# Altium PCB myAMP - Copy.PcbDoc
Units mm, origin at the board's own origin, x right, y up, seen from the top; angles counter-clockwise.
Board outline 152.4 x 101.6 mm, 2 copper layers (Top Layer, Bottom Layer); 113 components, 65 nets, 298 pads, 77 vias.
Unrouted connection lines stored in the file: 1.
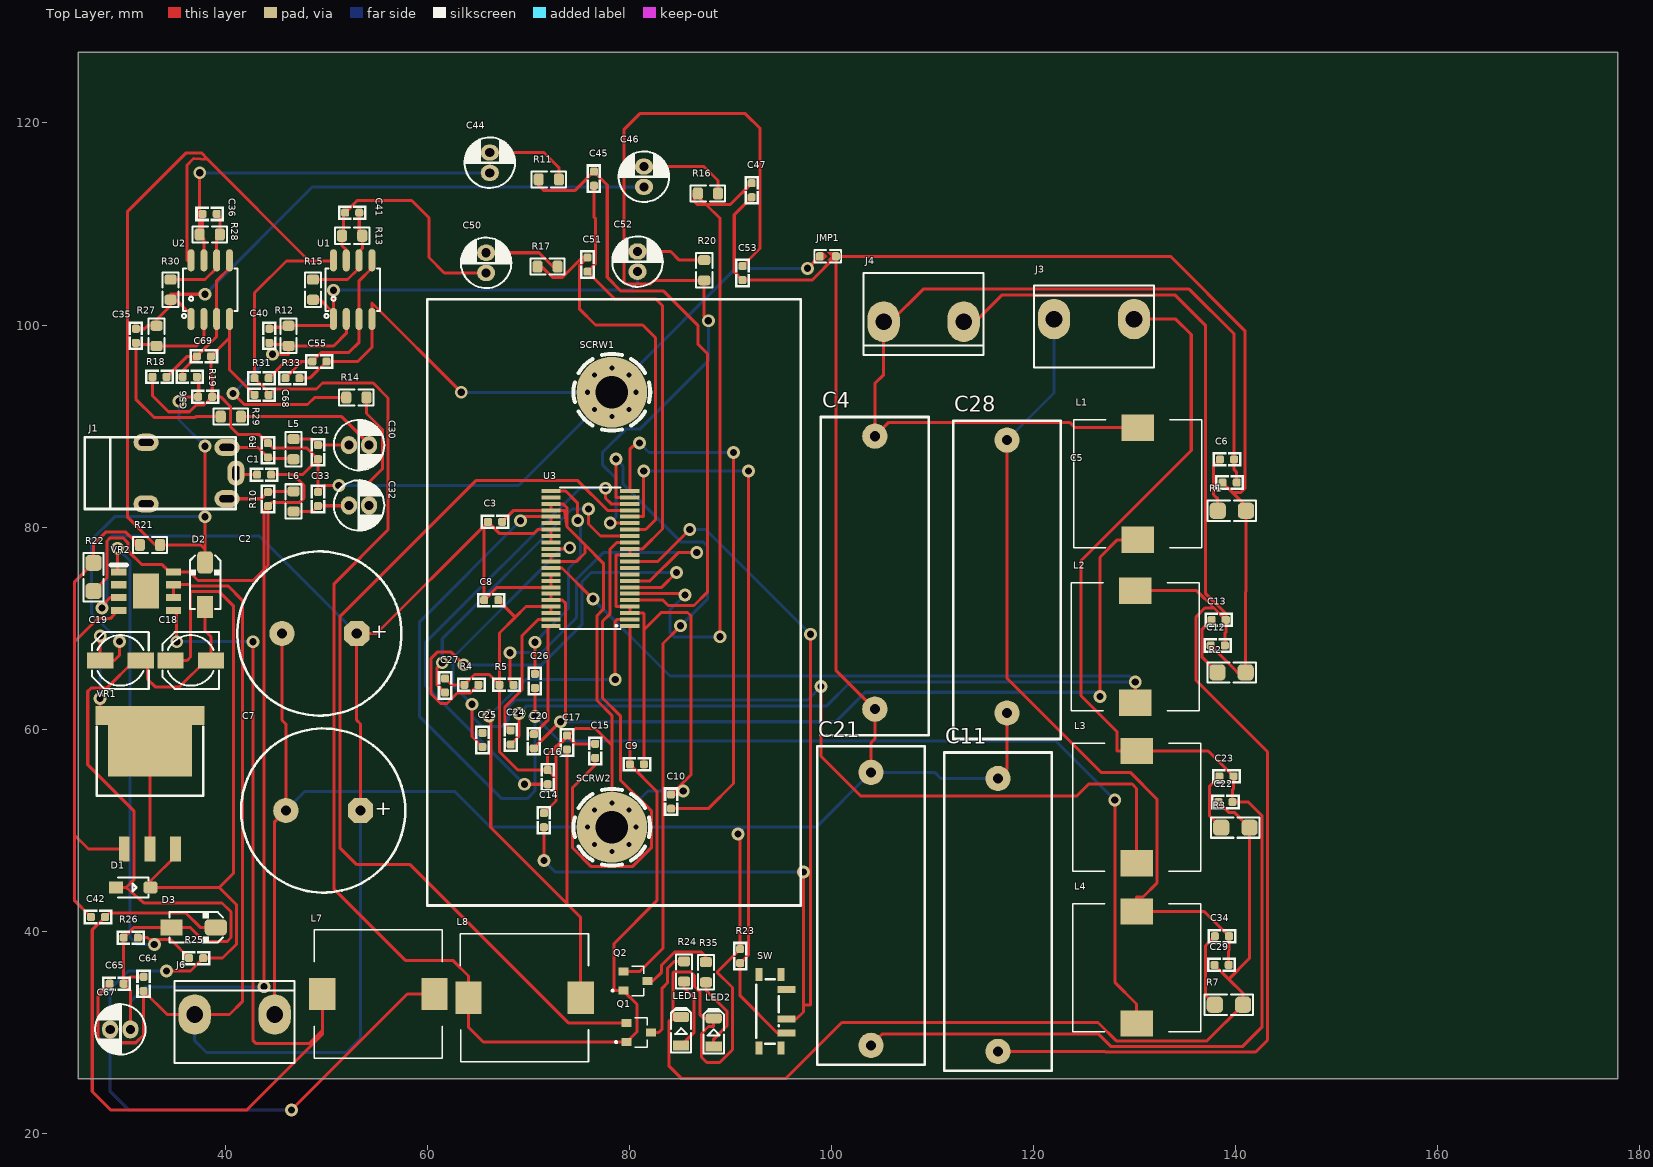
[diagram p0: Top Layer view]
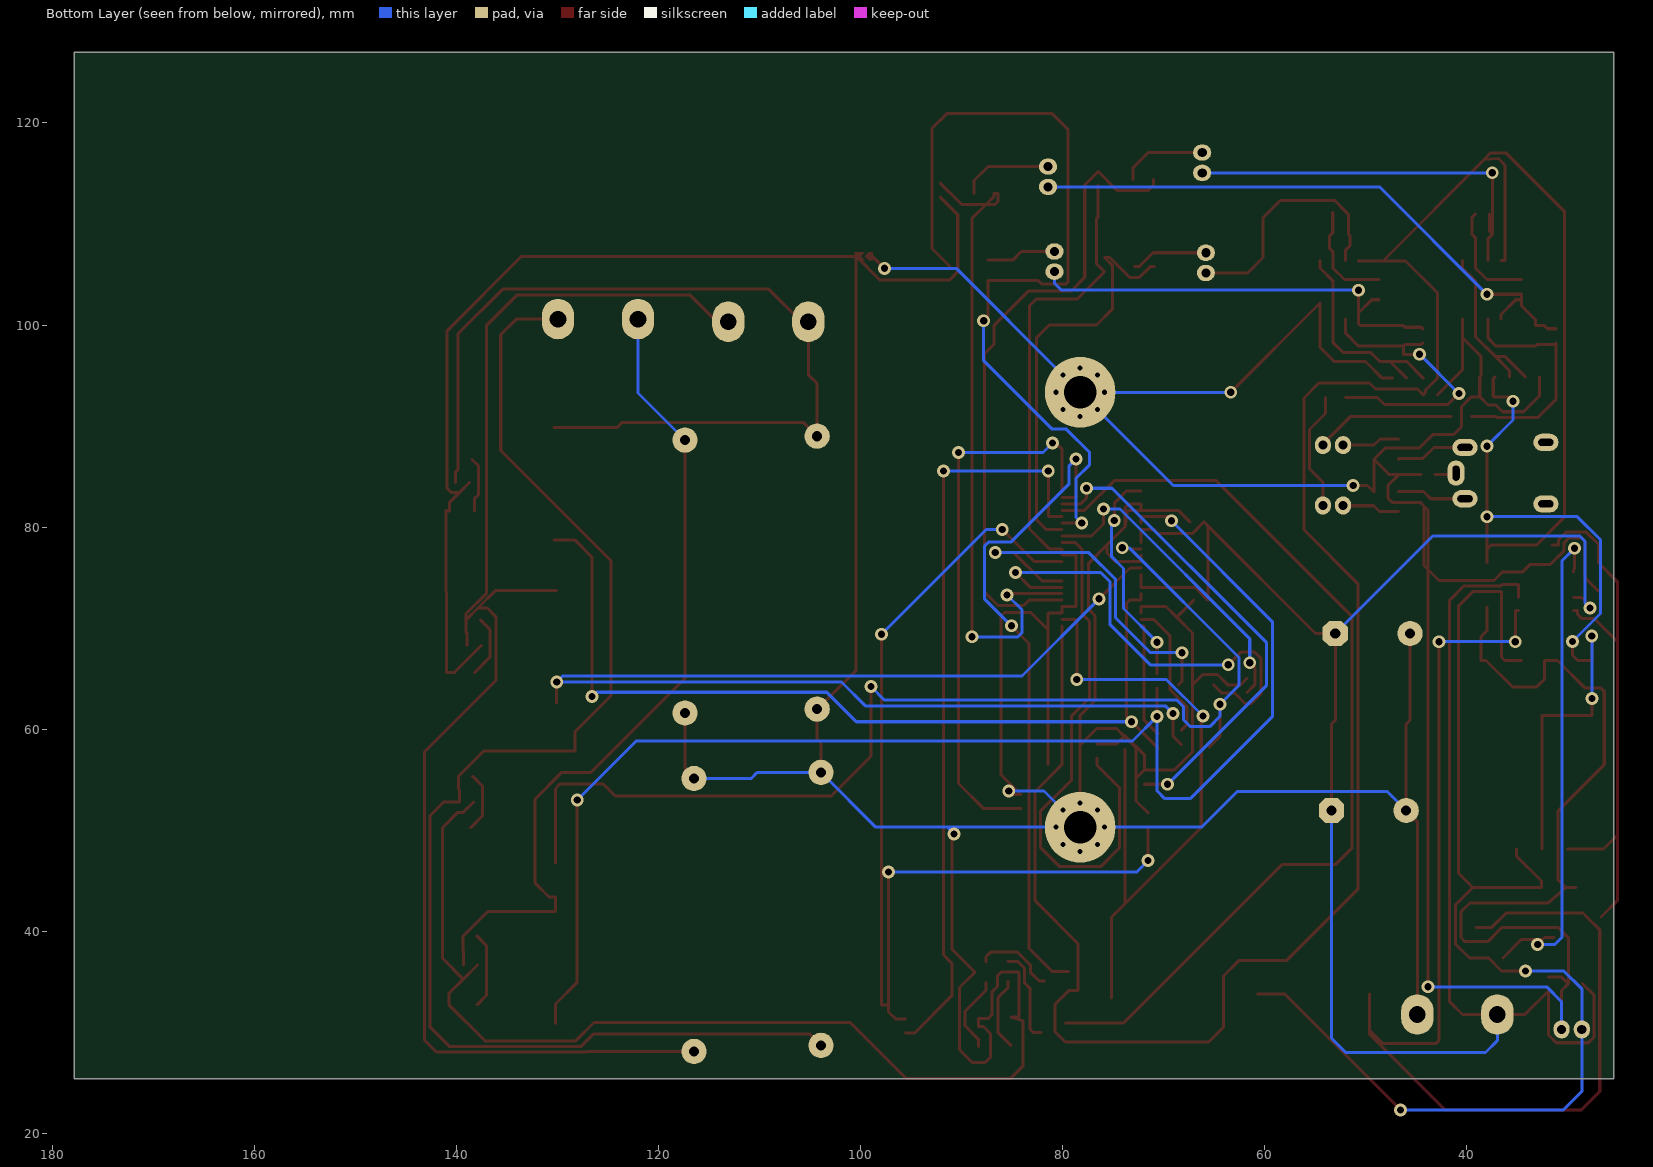
[diagram p1: Bottom Layer view, seen from below]
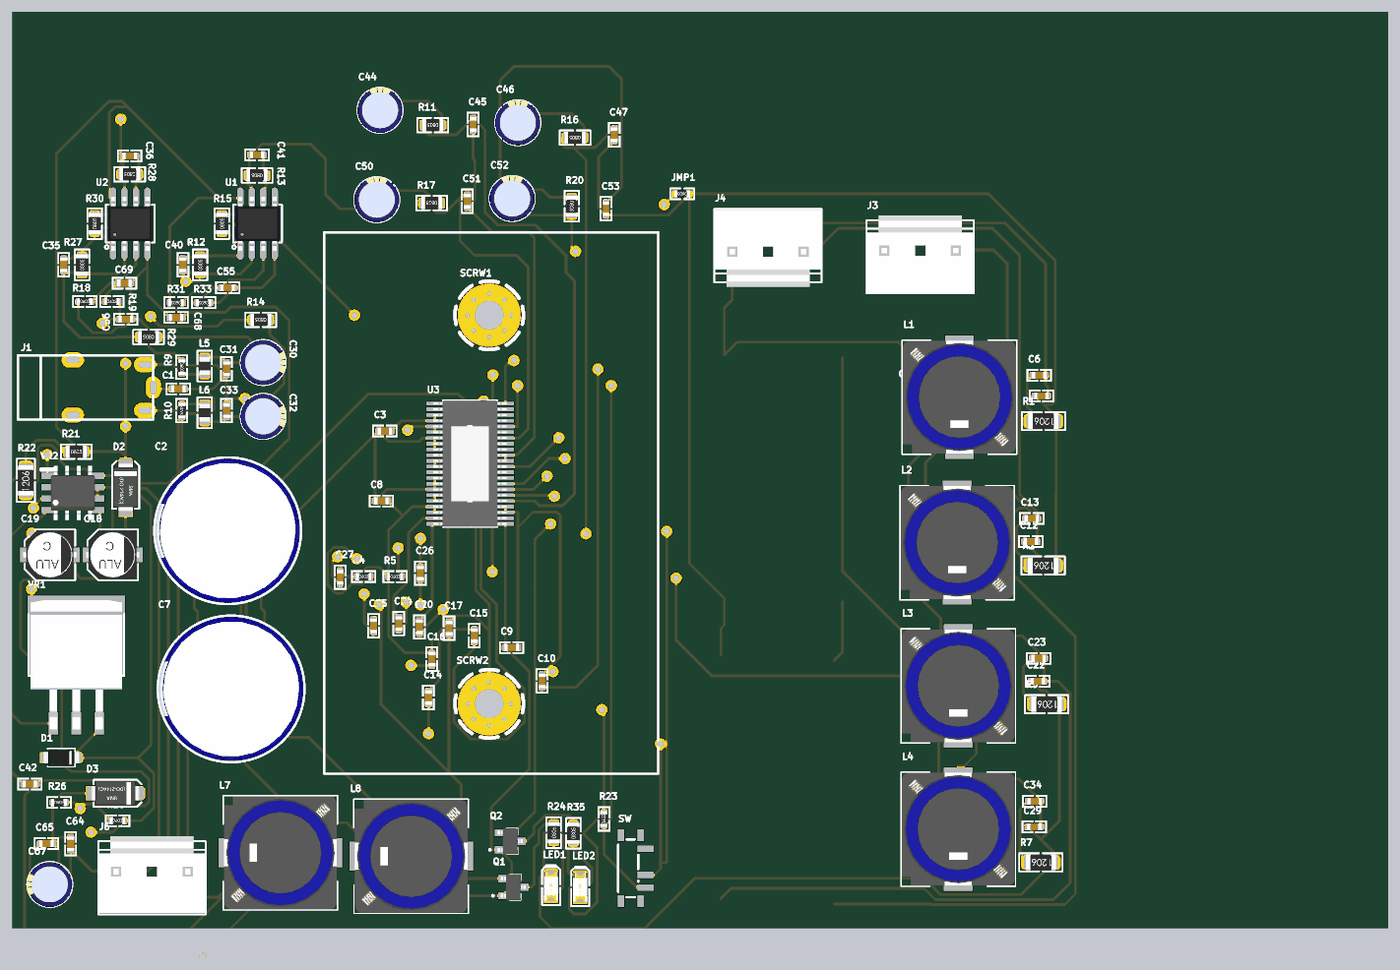
[diagram p2: 3D render of the assembled board from above, using the file's embedded part models]

## Layer stack, top to bottom
Top Solder: solder mask 0.0102, Solder Resist, Dk 3.5
Top Layer: signal copper 0.0356
Dielectric 1: dielectric 0.32, FR-4, Dk 4.8
Bottom Layer: signal copper 0.0356
Bottom Solder: solder mask 0.0102, Solder Resist, Dk 3.5

## Board outline
25.4,25.4 177.8,25.4 177.8,127 25.4,127

## Design rules (kind name [scope] priority, off if disabled: settings)
Clearance [All] p1: gap=0.254 ignorepadtopadclearanceinfootprint=FALSE
PolygonConnect [All] p1: connectstyle=Relief reliefconductorwidth=0.254 reliefentries=4 polygonreliefangle="90 Angle" airgapwidth=0.254
RoutingVias [All] p1: holewidth=0.711 width=1.27 viastyle="Through Hole" minholewidth=0.711 minwidth=1.27 maxholewidth=0.711 maxwidth=1.27
SolderMaskExpansion [All] p1: expansion=0.102 istentingtop=FALSE
SupplyNets "Schematic Supply Nets_6" [InNet('+13.5')] p1: voltage=0.000
SupplyNets "Schematic Supply Nets_5" [InNet('EN')] p2: voltage=0.000
SupplyNets "Schematic Supply Nets_4" [InNet('+12')] p3: voltage=0.000
SupplyNets "Schematic Supply Nets_3" [InNet('+12A')] p4: voltage=0.000
SupplyNets "Schematic Supply Nets_1" [InNet('GNDA')] p5: voltage=0.000
SupplyNets "Schematic Supply Nets" [InNet('GNDB')] p6: voltage=0.000
Width [All] p1: maxlimit=3 minlimit=0.3 preferedwidth=0.3 minimp=50.000000 maximp=50.000000 favimp=50.000000
30 further rules are at their usual default settings.

## Classes and differential pairs
net class C65_Nets: EN GNDA
net class C7_Nets: EN GNDB
net class VR2_Nets: EN FB GNDA NetC42_1 NetC42_2 NetVR2_2 NetVR2_9
net class VR1_Nets: +12 +13.5 NetR21_1
net class U3_Nets: +12 +12A AMP_CLIP AMP_FAULT AMP_RESET AUDIO_TPAIN_L_M AUDIO_TPAIN_L_P AUDIO_TPAIN_R_M AUDIO_TPAIN_R_P AUDIO_W_L_M++ AUDIO_W_L_P++ AUDIO_W_R_M++ AUDIO_W_R_P++ DVDD EN GNDB NetC15_1 NetC16_1 NetC17_1 NetC20_2 NetC24_2 NetC25_2 NetC26_2 NetC27_1 NetR4_2 NetR5_2 NetU3_9 NetU3_10
net class U2_Nets: +12 AUDIO_R_M AUDIO_R_P GNDA NetC35_2 NetC36_2 NetC69_1
net class U1_Nets: +12 AUDIO_L_M AUDIO_L_P GNDA NetC40_2 NetC41_2 NetC55_1
net class SW_Nets: AMP_RESET DVDD NetSW_3 NetSW_4
net class R35_Nets: NetLED2_1 NetQ2_3
net class R33_Nets: GNDA NetC55_1
net class R31_Nets: +12 NetC55_1
net class R30_Nets: AUDIO_R_M NetC36_2
net class R29_Nets: AUDIO_R+ NetC35_2
net class R28_Nets: AUDIO_R_P NetC36_2
net class R27_Nets: AUDIO_R_M NetC35_2
net class R26_Nets: FB GNDA
net class R25_Nets: +13.5 FB
net class R24_Nets: NetLED1_1 NetQ1_3
net class R23_Nets: AMP_RESET GNDB
net class R22_Nets: GNDA NetR21_1
net class R21_Nets: +12 NetR21_1
net class R20_Nets: AUDIO_TPAIN_L_M NetC52_2
net class R19_Nets: +12 NetC69_1
net class R18_Nets: GNDA NetC69_1
net class R17_Nets: AUDIO_TPAIN_L_P NetC50_2
net class R16_Nets: AUDIO_TPAIN_R_M NetC46_2
net class R15_Nets: AUDIO_L_M NetC41_2
net class R14_Nets: AUDIO_L+ NetC40_2
net class R13_Nets: AUDIO_L_P NetC41_2
net class R12_Nets: AUDIO_L_M NetC40_2
net class R11_Nets: AUDIO_TPAIN_R_P NetC44_2
net class R10_Nets: AUDIO_L GNDA
net class R9_Nets: AUDIO_R GNDA
net class R7_Nets: GNDB NetC34_2
net class R5_Nets: GNDB NetR5_2
net class R4_Nets: GNDB NetR4_2
net class R3_Nets: GNDB NetC23_2
net class R2_Nets: GNDB NetC13_2
net class R1_Nets: GNDB NetC6_2
net class Q2_Nets: +12 AMP_CLIP NetQ2_3
net class Q1_Nets: +12 AMP_FAULT NetQ1_3
net class LED2_Nets: GNDB NetLED2_1
net class LED1_Nets: GNDB NetLED1_1
net class L8_Nets: +12 NetC17_1
net class L7_Nets: +13.5 NetC42_2
net class L6_Nets: AUDIO_L NetC32_1
net class L5_Nets: AUDIO_R NetC30_1
net class L4_Nets: Audio_OUT_L_M AUDIO_W_L_M++
net class L3_Nets: Audio_OUT_L_P AUDIO_W_L_P++
net class L2_Nets: Audio_OUT_R_M AUDIO_W_R_M++
net class L1_Nets: Audio_OUT_R_P AUDIO_W_R_P++
net class JMP1_Nets: GNDA GNDB
net class J6_Nets: EN GNDB
net class J4_Nets: Audio_OUT_R_M Audio_OUT_R_P
net class J3_Nets: Audio_OUT_L_M Audio_OUT_L_P
net class J1_Nets: AUDIO_L AUDIO_R NetC1_2 NetJ1_4
net class D3_Nets: GNDA NetC42_2
net class D2_Nets: +12 GNDA
net class D1_Nets: +13.5 GNDA
net class C69_Nets: GNDA NetC69_1
net class C68_Nets: +12 GNDA
net class C67_Nets: +13.5 GNDA
net class SCRW1_Nets: GNDA
net class C64_Nets: EN GNDA
net class C56_Nets: +12 GNDA
net class C55_Nets: GNDA NetC55_1
net class C53_Nets: AUDIO_TPAIN_L_M GNDB
net class C52_Nets: AUDIO_L_M NetC52_2
net class C51_Nets: AUDIO_TPAIN_L_P GNDB
net class C50_Nets: AUDIO_L_P NetC50_2
net class C47_Nets: AUDIO_TPAIN_R_M GNDB
net class C46_Nets: AUDIO_R_M NetC46_2
net class C45_Nets: AUDIO_TPAIN_R_P GNDB
net class C44_Nets: AUDIO_R_P NetC44_2
net class C42_Nets: NetC42_1 NetC42_2
net class C41_Nets: AUDIO_L_P NetC41_2
net class C40_Nets: AUDIO_L_M NetC40_2
net class C36_Nets: AUDIO_R_P NetC36_2
net class C35_Nets: AUDIO_R_M NetC35_2
net class C34_Nets: Audio_OUT_L_M NetC34_2
net class C33_Nets: GNDA NetC32_1
net class C32_Nets: AUDIO_L+ NetC32_1
net class C31_Nets: GNDA NetC30_1
net class C30_Nets: AUDIO_R+ NetC30_1
net class C29_Nets: Audio_OUT_L_M GNDB
net class C28_Nets: Audio_OUT_L_M GNDB
net class C27_Nets: GNDB NetC27_1
net class C26_Nets: AUDIO_W_L_M++ NetC26_2
net class C25_Nets: AUDIO_W_L_P++ NetC25_2
net class C24_Nets: AUDIO_W_R_M++ NetC24_2
net class C23_Nets: Audio_OUT_L_P NetC23_2
net class C22_Nets: Audio_OUT_L_P GNDB
net class C21_Nets: Audio_OUT_L_P GNDB
net class C20_Nets: AUDIO_W_R_P++ NetC20_2
net class C19_Nets: +12 GNDA
net class C18_Nets: +13.5 GNDA
net class C17_Nets: GNDB NetC17_1
net class C16_Nets: GNDB NetC16_1
net class C15_Nets: GNDB NetC15_1
net class C14_Nets: DVDD GNDB
net class C13_Nets: Audio_OUT_R_M NetC13_2
net class C12_Nets: Audio_OUT_R_M GNDB
net class C11_Nets: Audio_OUT_R_M GNDB
net class C10_Nets: +12A GNDB
net class C9_Nets: +12 GNDB
net class C8_Nets: EN GNDB
net class SCRW2_Nets: GNDB
net class C6_Nets: Audio_OUT_R_P NetC6_2
net class C5_Nets: Audio_OUT_R_P GNDB
net class C4_Nets: Audio_OUT_R_P GNDB
net class C3_Nets: EN GNDB
net class C2_Nets: EN GNDB
net class C1_Nets: GNDA NetC1_2

## Components (designator, comment, footprint, x,y, rotation, side; value= is the part's Value field where it differs from the comment)
C1 "220pF" C_0603_2 43.81,85.192 r180 top
C2 "" C_16X40 49.276,69.469 r180 top value="2700uF 50V"
C3 "1uF" C_0603_2 66.675,80.518 r0 top
C4 "" C_MKP_THT 107.694,-464.725 r270 top value="1uF 250V"
C5 "" C_0603_2 139.381,84.412 r180 top value="1000pF 50V"
C6 "GRM1885C1H103JA01D" C_0603_2 139.13,86.698 r180 top value="10000pF 50V"
C7 "a" C_16X40 49.657,51.943 r180 top value="2700uF 50V"
C8 "1uF" C_0603_2 66.294,72.771 r0 top
C9 "100nF" C_0603_2 80.71,56.515 r0 top
C10 "100nF" C_0603_2 84.093,52.824 r90 top
C11 "PHE426HD7100JR06L2" C_MKP_THT 113.032,581.819 r90 top value="1uF 250V"
C12 "" C_0603_2 138.208,68.283 r180 top value="1000pF 50V"
C13 "GRM1885C1H103JA01D" C_0603_2 138.303,70.823 r180 top value="10000pF 50V"
C14 "1uF" C_0603_2 71.501,50.989 r90 top
C15 "1uF" C_0603_2 76.581,57.847 r90 top
C16 "100nF" C_0603_2 71.882,55.245 r90 top
C17 "100nF" C_0603_2 73.787,58.674 r90 top
C18 "10uF" C_EL_5 36.544,66.802 r0 top value="470uF 50V"
C19 "10uF" C_EL_5 29.591,66.802 r0 top value="470uF 50V"
C20 "33nF" C_0603_2 70.504,58.801 r90 top
C21 "PHE426HD7100JR06L2" C_MKP_THT 100.459,582.422 r90 top value="1uF 250V"
C22 "" C_0603_2 138.97,52.789 r180 top value="1000pF 50V"
C23 "GRM1885C1H103JA01D" C_0603_2 139.065,55.329 r180 top value="10000pF 50V"
C24 "33nF" C_0603_2 68.218,59.182 r90 top
C25 "33nF" C_0603_2 65.424,58.928 r90 top
C26 "33nF" C_0603_2 70.612,64.77 r90 top
C27 "47nF" C_0603_2 61.722,64.324 r90 top
C28 "PHE426HD7100JR06L2" C_MKP_THT 120.775,-465.106 r270 top value="1uF 250V"
C29 "" C_0603_2 138.589,36.66 r180 top value="1000pF 50V"
C30 "10uF" C_5X11 53.208,88.113 r90 top
C31 "15pF" C_0603_2 49.144,87.416 r90 top
C32 "10uF" C_5X11 53.208,82.144 r90 top
C33 "15pF" C_0603_2 49.144,82.779 r270 top
C34 "GRM1885C1H103JA01D" C_0603_2 138.622,39.497 r180 top value="10000pF 50V"
C35 "22pF" C_0603_2 31.115,98.933 r270 top value=15pF
C36 "22pF" C_0603_2 38.416,110.998 r0 top value=15pF
C40 "22pF" C_0603_2 44.323,98.933 r270 top value=15pF
C41 "22pF" C_0603_2 52.528,111.125 r0 top value=15pF
C42 "Cap" C_0603_2 27.37,41.402 r0 top value=100nF
C44 "10uF" C_5X11 66.148,116.07 r180 top
C45 "100pF" C_0603_2 76.454,114.492 r270 top value=10uF
C46 "10uF" C_5X11 81.407,114.681 r180 top
C47 "100pF" C_0603_2 92.075,113.349 r270 top value=10uF
C50 "10uF" C_5X11 65.786,106.156 r180 top
C51 "100pF" C_0603_2 75.819,105.983 r270 top value=10uF
C52 "10uF" C_5X11 80.772,106.283 r180 top
C53 "100pF" C_0603_2 91.167,105.148 r270 top value=10uF
C55 "Cap" C_0603_2 49.276,96.393 r0 top value=100nF
C56 "10uF" C_0603_2 37.976,92.899 r0 top
C64 "Cap" C_0603_2 31.877,34.787 r90 top value=2.2uF
C65 "Cap" C_0603_2 29.21,34.798 r0 top value=2.2uF
C67 "10uF" C_5X11 29.575,30.277 r270 top
C68 "10uF" C_0603_2 43.561,93.091 r180 top
C69 "Cap" C_0603_2 37.846,96.901 r0 top value=100nF
D1 "15V" D_SOD123 30.861,44.323 r0 top
D2 "13V" DO-214AC 37.973,74.295 r90 top
D3 "Schottky 100V/1A" DO-214AC 36.83,40.377 r0 top
J1 "PJ-321B" J_PJ-321B 35.052,85.217 r180 top
J3 "VH3P2" VH3_2 125.961,100.584 r0 top
J4 "VH3P2" VH3_2 109.093,100.33 r180 top
J6 "VH3P2" VH3_2 40.894,31.75 r0 top
JMP1 "" JUMPER_0603 99.606,106.807 r180 top
L1 "MA5172" L_SLF12565 130.302,84.285 r90 top value=10uH
L2 "MA5172" L_SLF12565 130.048,68.156 r90 top value=10uH
L3 "MA5172" L_SLF12565 130.175,52.281 r90 top value=10uH
L4 "MA5172" L_SLF12565 130.175,36.406 r90 top value=10uH
L5 "15nH" L_0805 46.731,87.716 r90 top
L6 "15nH" L_0805 46.731,82.541 r270 top
L7 "Inductor" L_SLF12565 55.118,33.782 r0 top value=15uH
L8 "10uH" L_SLF12565 69.596,33.401 r0 top
LED1 "LED RED" LED_1206_RED 85.09,30.099 r90 top
LED2 "LED RED" LED_1206_RED 88.311,29.972 r90 top
Q1 "DTA143EKA" TRANS_DTC113ZKAT146 80.899,29.972 r0 top
Q2 "DTA143EKA" TRANS_DTC113ZKAT146 80.567,35.059 r0 top
R1 "3.3" R_1206 139.605,81.618 r180 top
R2 "3.3" R_1206 139.573,65.616 r180 top
R3 "3.3" R_1206 139.957,50.249 r180 top
R4 "22K" R_0603_2 64.327,64.389 r0 top
R5 "30K" R_0603_2 67.806,64.381 r0 top
R7 "3.3" R_1206 139.319,32.723 r180 top
R9 "100K" R_0603_2 44.191,87.605 r270 top
R10 "100K" R_0603_2 44.191,82.779 r90 top
R11 "100 0.1%" R_0805 71.99,114.419 r180 top value=100
R12 "10K 0.1%" R_0805 46.228,98.933 r90 top value=100
R13 "10K 0.1%" R_0805 52.528,108.839 r180 top value=100
R14 "10K 0.1%" R_0805 52.943,92.837 r180 top value=100
R15 "10K 0.1%" R_0805 48.641,103.505 r90 top value=100
R16 "100 0.1%" R_0805 87.738,113.022 r180 top value=100
R17 "100 0.1%" R_0805 71.863,105.783 r180 top value=100
R18 "Res Semi" R_0603_2 33.458,94.869 r0 top value="10K 0.1%"
R19 "Res Semi" R_0603_2 36.449,94.869 r0 top value="10K 0.1%"
R20 "100 0.1%" R_0805 87.376,105.426 r270 top value=100
R21 "Res1" R_0805 32.512,78.232 r0 top value="1K 0.1%"
R22 "Res1" R_1206 26.924,75.057 r90 top value="8.66K 0.1%"
R23 "10K" R_0603_2 90.932,37.53 r90 top value=22K
R24 "4.7K" R_0805 85.382,36.014 r90 top value=22K
R25 "Res1" R_0603_2 37.084,37.338 r0 top value=100K
R26 "Res1" R_0603_2 30.607,39.361 r0 top value=7.5K
R27 "10K 0.1%" R_0805 33.147,98.933 r90 top value=100
R28 "10K 0.1%" R_0805 38.431,108.966 r180 top value=100
R29 "10K 0.1%" R_0805 40.513,90.932 r180 top value=100
R30 "10K 0.1%" R_0805 34.544,103.505 r90 top value=100
R31 "Res Semi" R_0603_2 43.561,94.742 r180 top value="10K 0.1%"
R33 "Res Semi" R_0603_2 46.609,94.742 r180 top value="10K 0.1%"
R35 "4.7K" R_0805 87.549,35.941 r90 top value=22K
SCRW1 "SCREW" HOLE_3M 78.232,93.345 r0 top
SCRW2 "SCREW" HOLE_3M 78.232,50.292 r0 top
SW "MSS12C02LS-BB2.0" PCBComponent_1 86.602,29.481 r90 top
U1 "OPA1612AID" SO8_2 52.578,103.505 r90 top
U2 "OPA1612AID" SO8_2 38.481,103.505 r90 top
U3 "TPA3255" HTSSOP44_T 76.11,76.899 r180 top
VR1 "Volt Reg" D2PAK 32.512,48.126 r270 top
VR2 "MP9486AGN-Z" SOIC127P600X170-9N 32.131,73.66 r0 top

## Footprints (in the part's own frame and the unit in brackets; to place one, negate y for a bottom-side part, rotate by r counter-clockwise, add the part's x,y. Pads: shape width x height; smd on the part's side, far side on the other; paste and mask are expansions set on the pad)
C_5X11 [mm]
  oval 1.8x1.6 hole 0.9: 1(0,1) 2(0,-1)
  silkscreen extent -2.5,-2.5 2.5,2.5, body extent -2.54,-2.54 2.54,2.54, height 12.01
C_16X40 [mm]
  oct 2.5x2.5 hole 1: 1(-3.7,0)
  round 2.5 hole 1: 2(3.7,0)
  silkscreen extent -8.12,-8.12 8.12,8.12, body extent -8,-8 8,8, height 40.01
C_0603_2 [mm] "CHIP Capacitor, 1.6X0.8mm, 0603 OPTIMIZED"
  rrect50% 0.8x0.8 smd paste-5 mask+0.075: 1(-0.7,0) 2(0.7,0)
  Top Layer pour cut-out: -0.5,0.4 0.5,0.4 0.5,-0.4 -0.5,-0.4
  silkscreen extent -1.4,-0.7 1.4,0.7, body extent -0.8,-0.4 0.8,0.4, height 0.9
C_EL_5 [mm] "Electrolytic Cap, D: 5.0mm, L: 5.8mm, Size C"
  rect 2.6x1.6 smd: 1(-2,0) 2(2,0)
  silkscreen extent -2.8,-2.81 2.8,2.8, body extent -2.95,-2.65 2.95,2.65, height 5.41